# Altium PCB GEM_AFE_128.PcbDoc (part 7 of 18)
Units mm, origin at the board's own origin, x right, y up, seen from the top; angles counter-clockwise.
Board outline 112 x 81.5 mm, 8 copper layers (Top Layer, L1, L2, L3, L4, L5, L6, Bottom Layer), stack 1.52 mm thick; 1880 components, 1258 nets, 6287 pads, 2369 vias.
Unrouted connection lines stored in the file: 4.
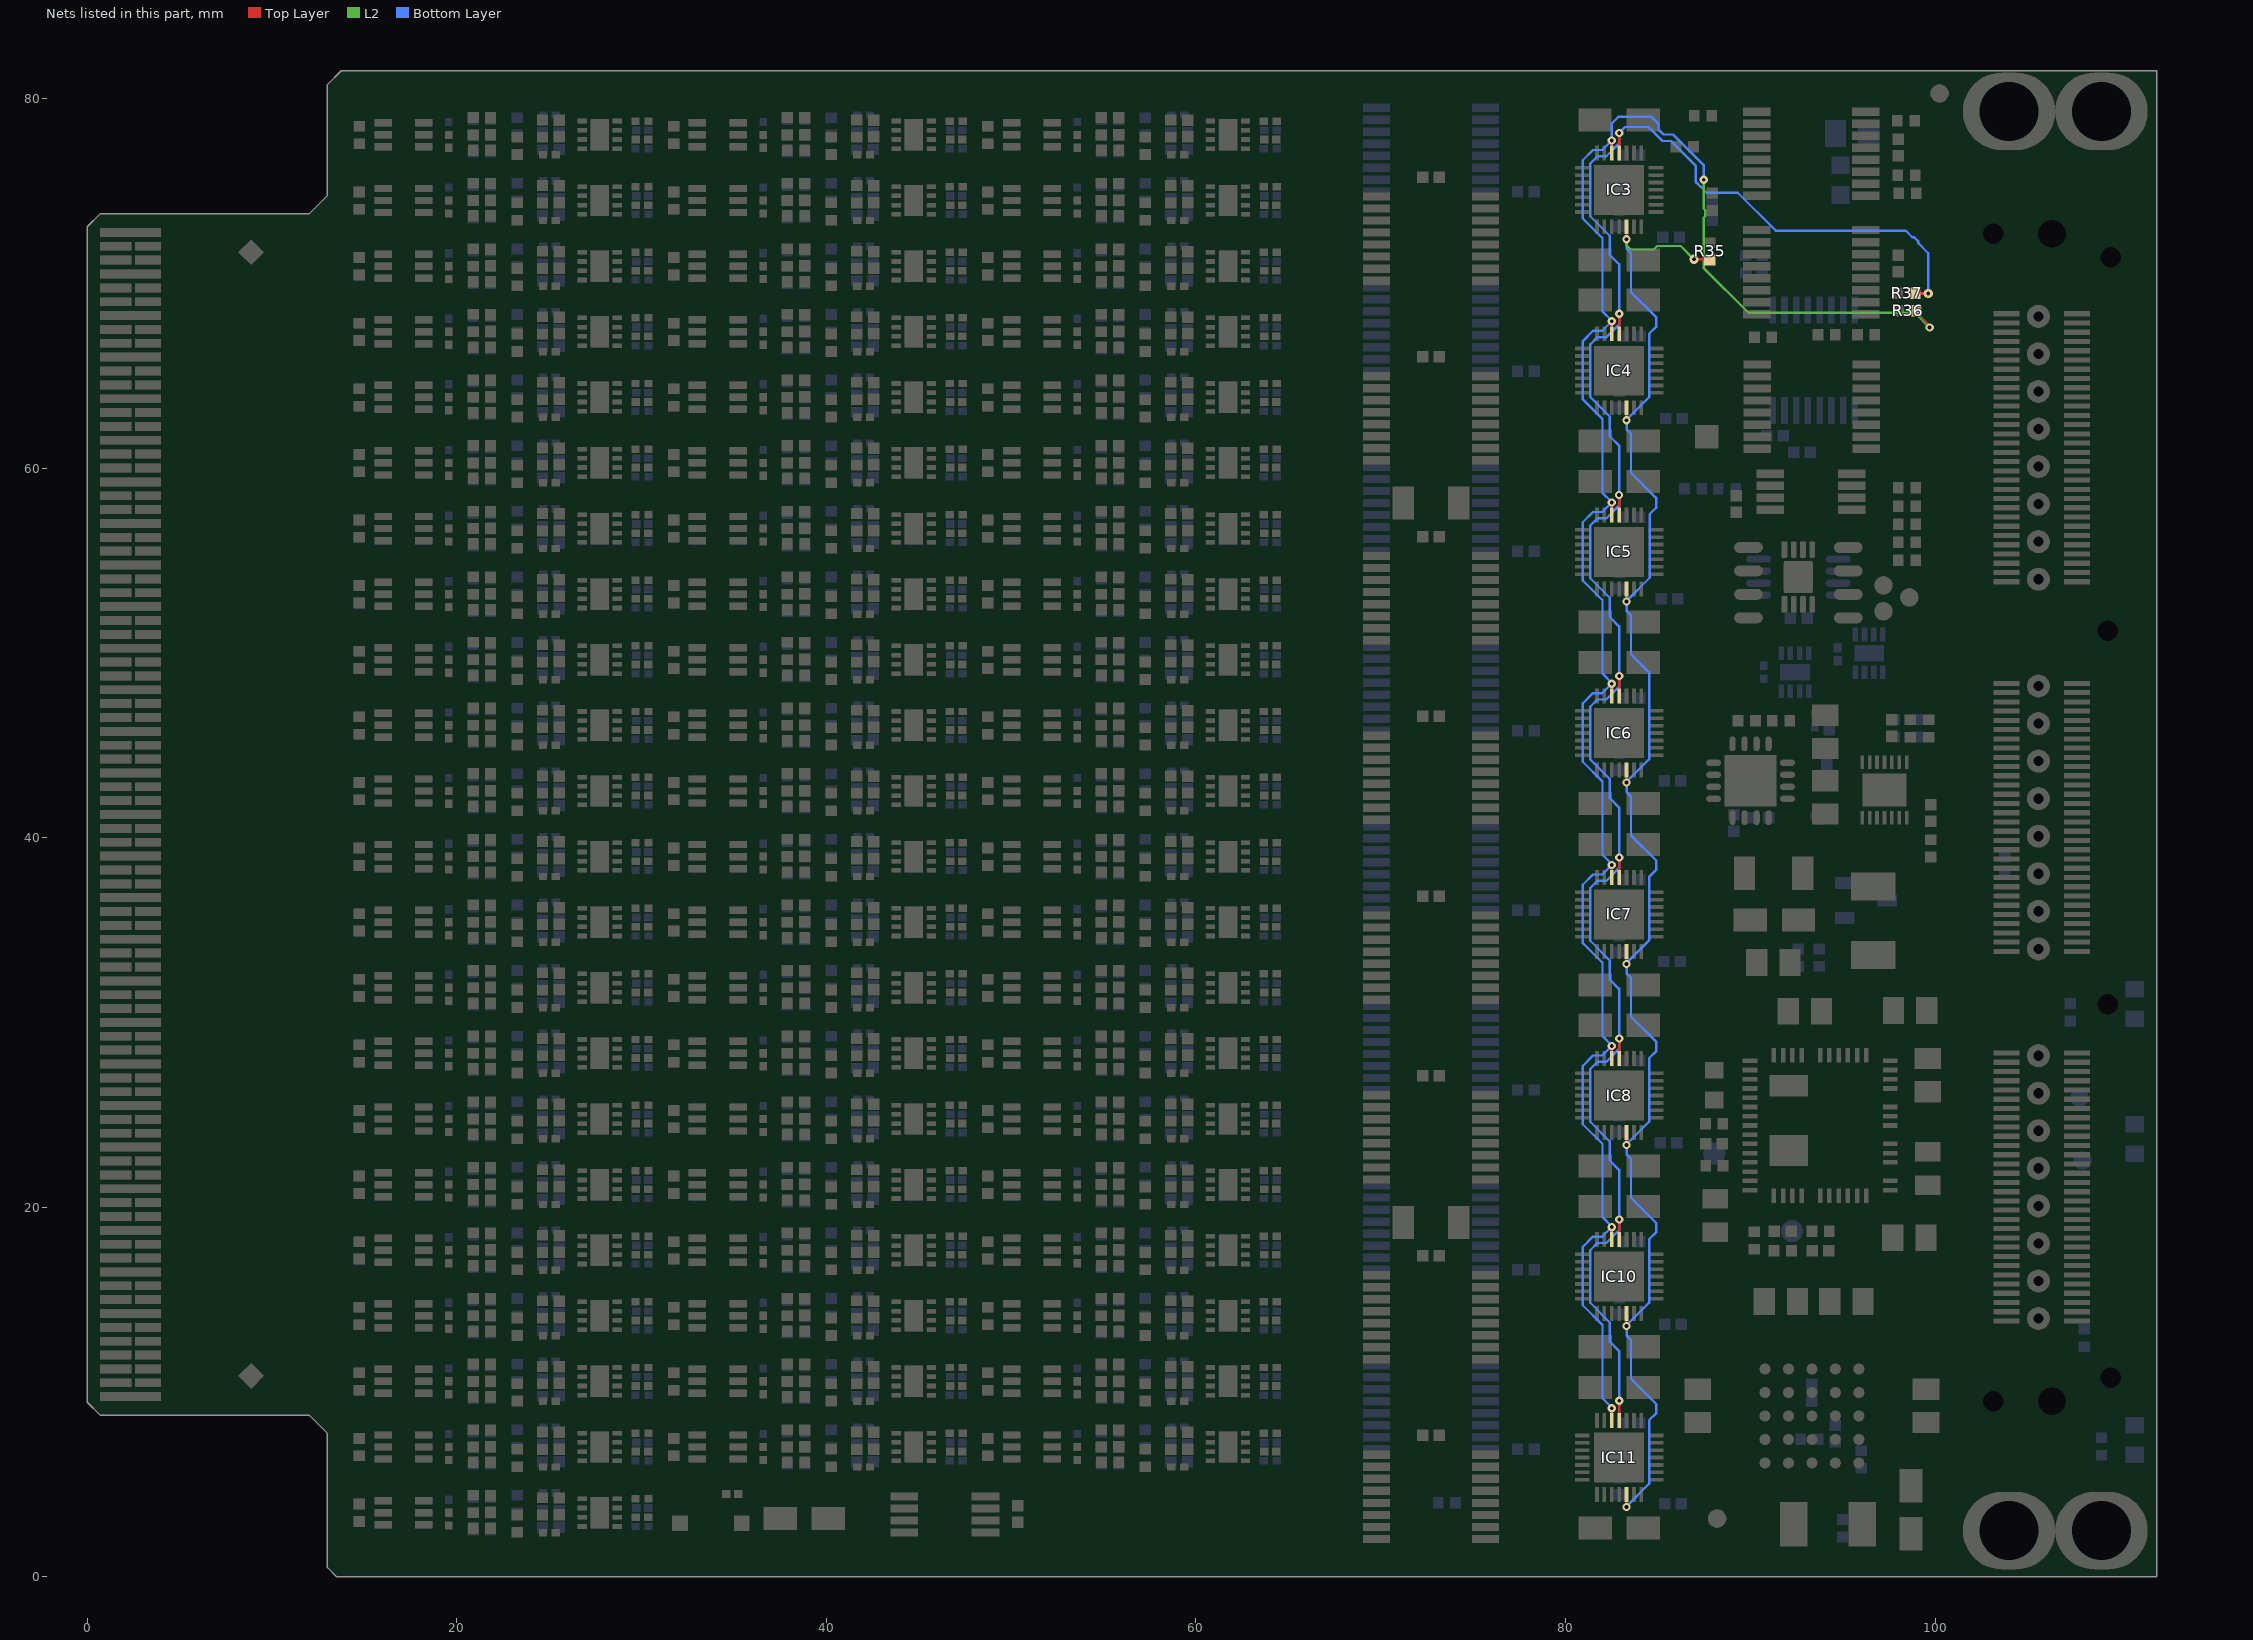
[diagram p13: the nets of this part, all layers, seen from the top]

## Via types
v1: diameter 0.5, hole 0.2, Top Layer to Bottom Layer, tented both sides, 1849 vias
v2: diameter 0.45, hole 0.2, Top Layer to Bottom Layer, tented both sides, 506 vias
v3: diameter 0.45, hole 0.2, Top Layer to Bottom Layer, 14 vias

## Nets (pads, with @x,y where several pads share a name; then routed paths per layer and width w, separated by ;. In a path a pad name is that pad's centre, name@x,y a point inside that pad or via, vN(x,y) a via of type N, cw(c..) or ccw(c..) an arc to the next point about the centre after c; other vN are vias at no path point) (continued)
DAC_SCLK: IC3.4 IC4.4 IC5.4 IC6.4 IC7.4 IC8.4 IC10.4 IC11.4 R37.2 | length 111.5
  Top Layer w0.14: IC11.4@82.9,8.453 v2@82.9,9.545 ; IC10.4@82.9,18.249 v2@82.9,19.341 ; IC8.4@82.9,28.045 v2@82.9,29.137 ; IC7.4@82.9,37.841 v2@82.9,38.933 ; IC6.4@82.9,47.658 v2@82.9,48.75 ; IC5.4@82.9,57.458 v2@82.9,58.55 ; IC3.4@82.9,77.05 v2@82.9,78.142 ; IC4.4@82.902,67.265 v2@82.902,68.357 ; R37.2@98.926,69.444 v1@99.625,69.444
  Top Layer w0.2: v1@99.625,69.444 v1(99.63,69.438)
  Bottom Layer w0.127: 82.391,13.766 81.331,14.826 81.331,17.676 81.723,18.067 82.206,18.067 82.897,18.758 v2(82.897,19.332) ; 82.391,23.562 81.331,24.622 81.331,27.472 81.723,27.863 82.206,27.863 82.897,28.554 v2(82.897,29.128) ; 82.391,33.358 81.331,34.418 81.331,37.268 81.723,37.659 82.206,37.659 82.897,38.35 v2(82.897,38.924) ; 82.391,43.176 81.331,44.235 81.331,47.085 81.723,47.476 82.206,47.476 82.897,48.167 v2(82.897,48.741) ; 82.39,52.975 81.331,54.035 81.331,56.885 81.722,57.276 82.206,57.276 82.896,57.967 v2(82.896,58.541) 82.896,61.209 ; 82.391,72.567 81.331,73.627 81.331,76.477 81.723,76.868 82.206,76.868 82.897,77.559 v2(82.897,78.133) 83.213,78.45 84.493,78.45 85.246,77.698 85.702,77.698 87.05,76.35 87.05,75.487 87.081,75.457 87.081,75.445 87.309,75.216 87.321,75.216 87.639,74.898 89.318,74.898 91.37,72.846 98.404,72.846 98.76,72.49 98.862,72.49 99.09,72.262 99.09,72.16 99.63,71.62 v1(99.63,69.438) ; 82.393,13.766 82.393,12.73 82.899,12.224 v2@82.899,9.547 ; 82.393,23.562 82.393,22.526 82.899,22.02 v2@82.899,19.343 ; 82.393,33.358 82.393,32.322 82.899,31.816 v2@82.899,29.139 ; 82.393,43.176 82.393,42.139 82.899,41.633 v2@82.899,38.956 ; 82.392,52.975 82.392,51.938 82.898,51.432 v2@82.898,48.756 ; 82.393,72.567 82.393,71.531 82.899,71.025 v2(82.899,68.348) 82.899,67.774 82.208,67.083 81.725,67.083 81.333,66.692 81.333,63.842 82.393,62.782 82.393,61.719 82.899,61.213
  other v2: 82.897,9.536
DAC_SDI: IC3.5 IC4.5 IC5.5 IC6.5 IC7.5 IC8.5 IC10.5 IC11.5 R36.1 | length 112.7
  Top Layer w0.127: IC11.5@82.5,8.453 v2(82.5,9.129) ; IC10.5@82.5,18.249 v2(82.5,18.925) ; IC8.5@82.5,28.045 v2(82.5,28.721) ; IC7.5@82.5,37.841 v2(82.5,38.517) ; IC6.5@82.5,47.658 v2(82.5,48.334) ; IC5.5@82.5,57.458 v2(82.5,58.134) ; IC3.5@82.5,77.05 v2(82.5,77.726) ; IC4.5@82.502,67.265 v2(82.502,67.941) ; R36.1@98.974,68.507 98.974,68.424 99.698,67.7 v2(99.698,67.602)
  L2 w0.127: v2(87.471,75.607) 87.471,74.042 87.562,73.951 87.562,73.628 87.471,73.537 87.471,70.829 89.9,68.4 98.9,68.4 v2(99.698,67.602)
  Bottom Layer w0.127: 81.996,52.843 80.933,53.907 80.933,57.062 81.49,57.62 81.985,57.62 v2(82.5,58.134) ; 81.997,13.634 80.933,14.698 80.933,17.853 81.491,18.411 81.986,18.411 v2(82.5,18.925) ; 81.997,23.43 80.933,24.494 80.933,27.649 81.491,28.207 81.986,28.207 v2(82.5,28.721) ; 81.997,33.226 80.933,34.29 80.933,37.445 81.491,38.003 81.986,38.003 v2(82.5,38.517) ; 81.997,43.043 80.933,44.107 80.933,47.263 81.491,47.82 81.986,47.82 v2(82.5,48.334) ; 81.997,72.435 80.933,73.499 80.933,76.654 81.491,77.212 81.986,77.212 v2(82.5,77.726) 82.5,78.65 82.85,79 84.65,79 85.031,78.619 85.031,78.319 85.3,78.05 85.811,78.05 87.471,76.39 v2(87.471,75.607) ; 81.999,13.657 81.999,9.668 v2@82.502,9.165 ; 81.999,23.453 81.999,19.464 v2@82.502,18.961 ; 81.999,33.249 81.999,29.26 v2@82.502,28.757 ; 81.999,43.066 81.999,39.077 v2@82.502,38.574 ; 81.998,52.865 81.998,48.877 v2@82.502,48.374 ; 81.999,72.458 81.999,68.469 v2@82.502,67.966 ; v2@82.5,58.154 82,58.654 82,58.798 81.999,58.799 81.999,62.65 80.935,63.714 80.935,66.869 81.493,67.427 81.988,67.427 v2(82.502,67.941)
DAC_SDO: IC3.19 IC4.19 IC5.19 IC6.19 IC7.19 IC8.19 IC10.19 IC11.19 R35.1 | length 88.3
  Top Layer w0.127: v2(83.3,3.777) IC11.19@83.3,4.453 ; v2(83.3,13.573) IC10.19@83.3,14.249 ; v2(83.3,23.369) IC8.19@83.3,24.045 ; v2(83.3,33.165) IC7.19@83.3,33.841 ; v2(83.3,42.982) IC6.19@83.3,43.658 ; v2(83.3,52.782) IC5.19@83.3,53.458 ; v2(83.3,72.374) IC3.19@83.3,73.05 ; v2(83.302,62.589) IC4.19@83.302,63.265 ; v1(86.954,71.299) 87.759,71.299 R35.1@87.803,71.255
  L2 w0.127: v2(83.3,72.374) 83.305,72.369 83.305,72.045 83.528,71.822 84.772,71.822 84.96,72.01 86.228,72.01 v1@86.947,71.291
  Bottom Layer w0.127: v2(83.3,52.782) 83.3,52.797 84.56,54.057 84.56,57.51 84.9,57.85 84.9,58.385 83.541,59.745 83.541,61.855 83.303,62.092 v2@83.303,62.626 ; v2@83.302,3.813 84.521,5.032 84.521,8.468 84.912,8.86 84.912,9.341 83.539,10.714 83.539,12.824 83.302,13.061 v2@83.302,13.595 ; v2@83.302,13.609 84.521,14.828 84.521,18.264 84.912,18.656 84.912,19.137 83.539,20.51 83.539,22.62 83.302,22.857 v2@83.302,23.391 ; v2@83.302,23.405 84.521,24.624 84.521,28.06 84.912,28.452 84.912,28.933 83.539,30.306 83.539,32.416 83.302,32.653 v2@83.302,33.187 ; v2@83.302,33.222 84.521,34.441 84.521,37.877 84.912,38.269 84.912,38.75 83.539,40.123 83.539,42.233 83.302,42.47 v2@83.302,43.004 ; v2@83.302,43.022 84.52,44.241 84.52,48.942 83.539,49.923 83.539,52.032 83.302,52.27 v2@83.302,52.804 ; v2@83.302,62.614 84.521,63.833 84.521,67.269 84.912,67.661 84.912,68.142 83.539,69.515 83.539,71.625 83.302,71.862 v2@83.302,72.396